# Allegro board meta_module_lay_rev1.brd (continued)
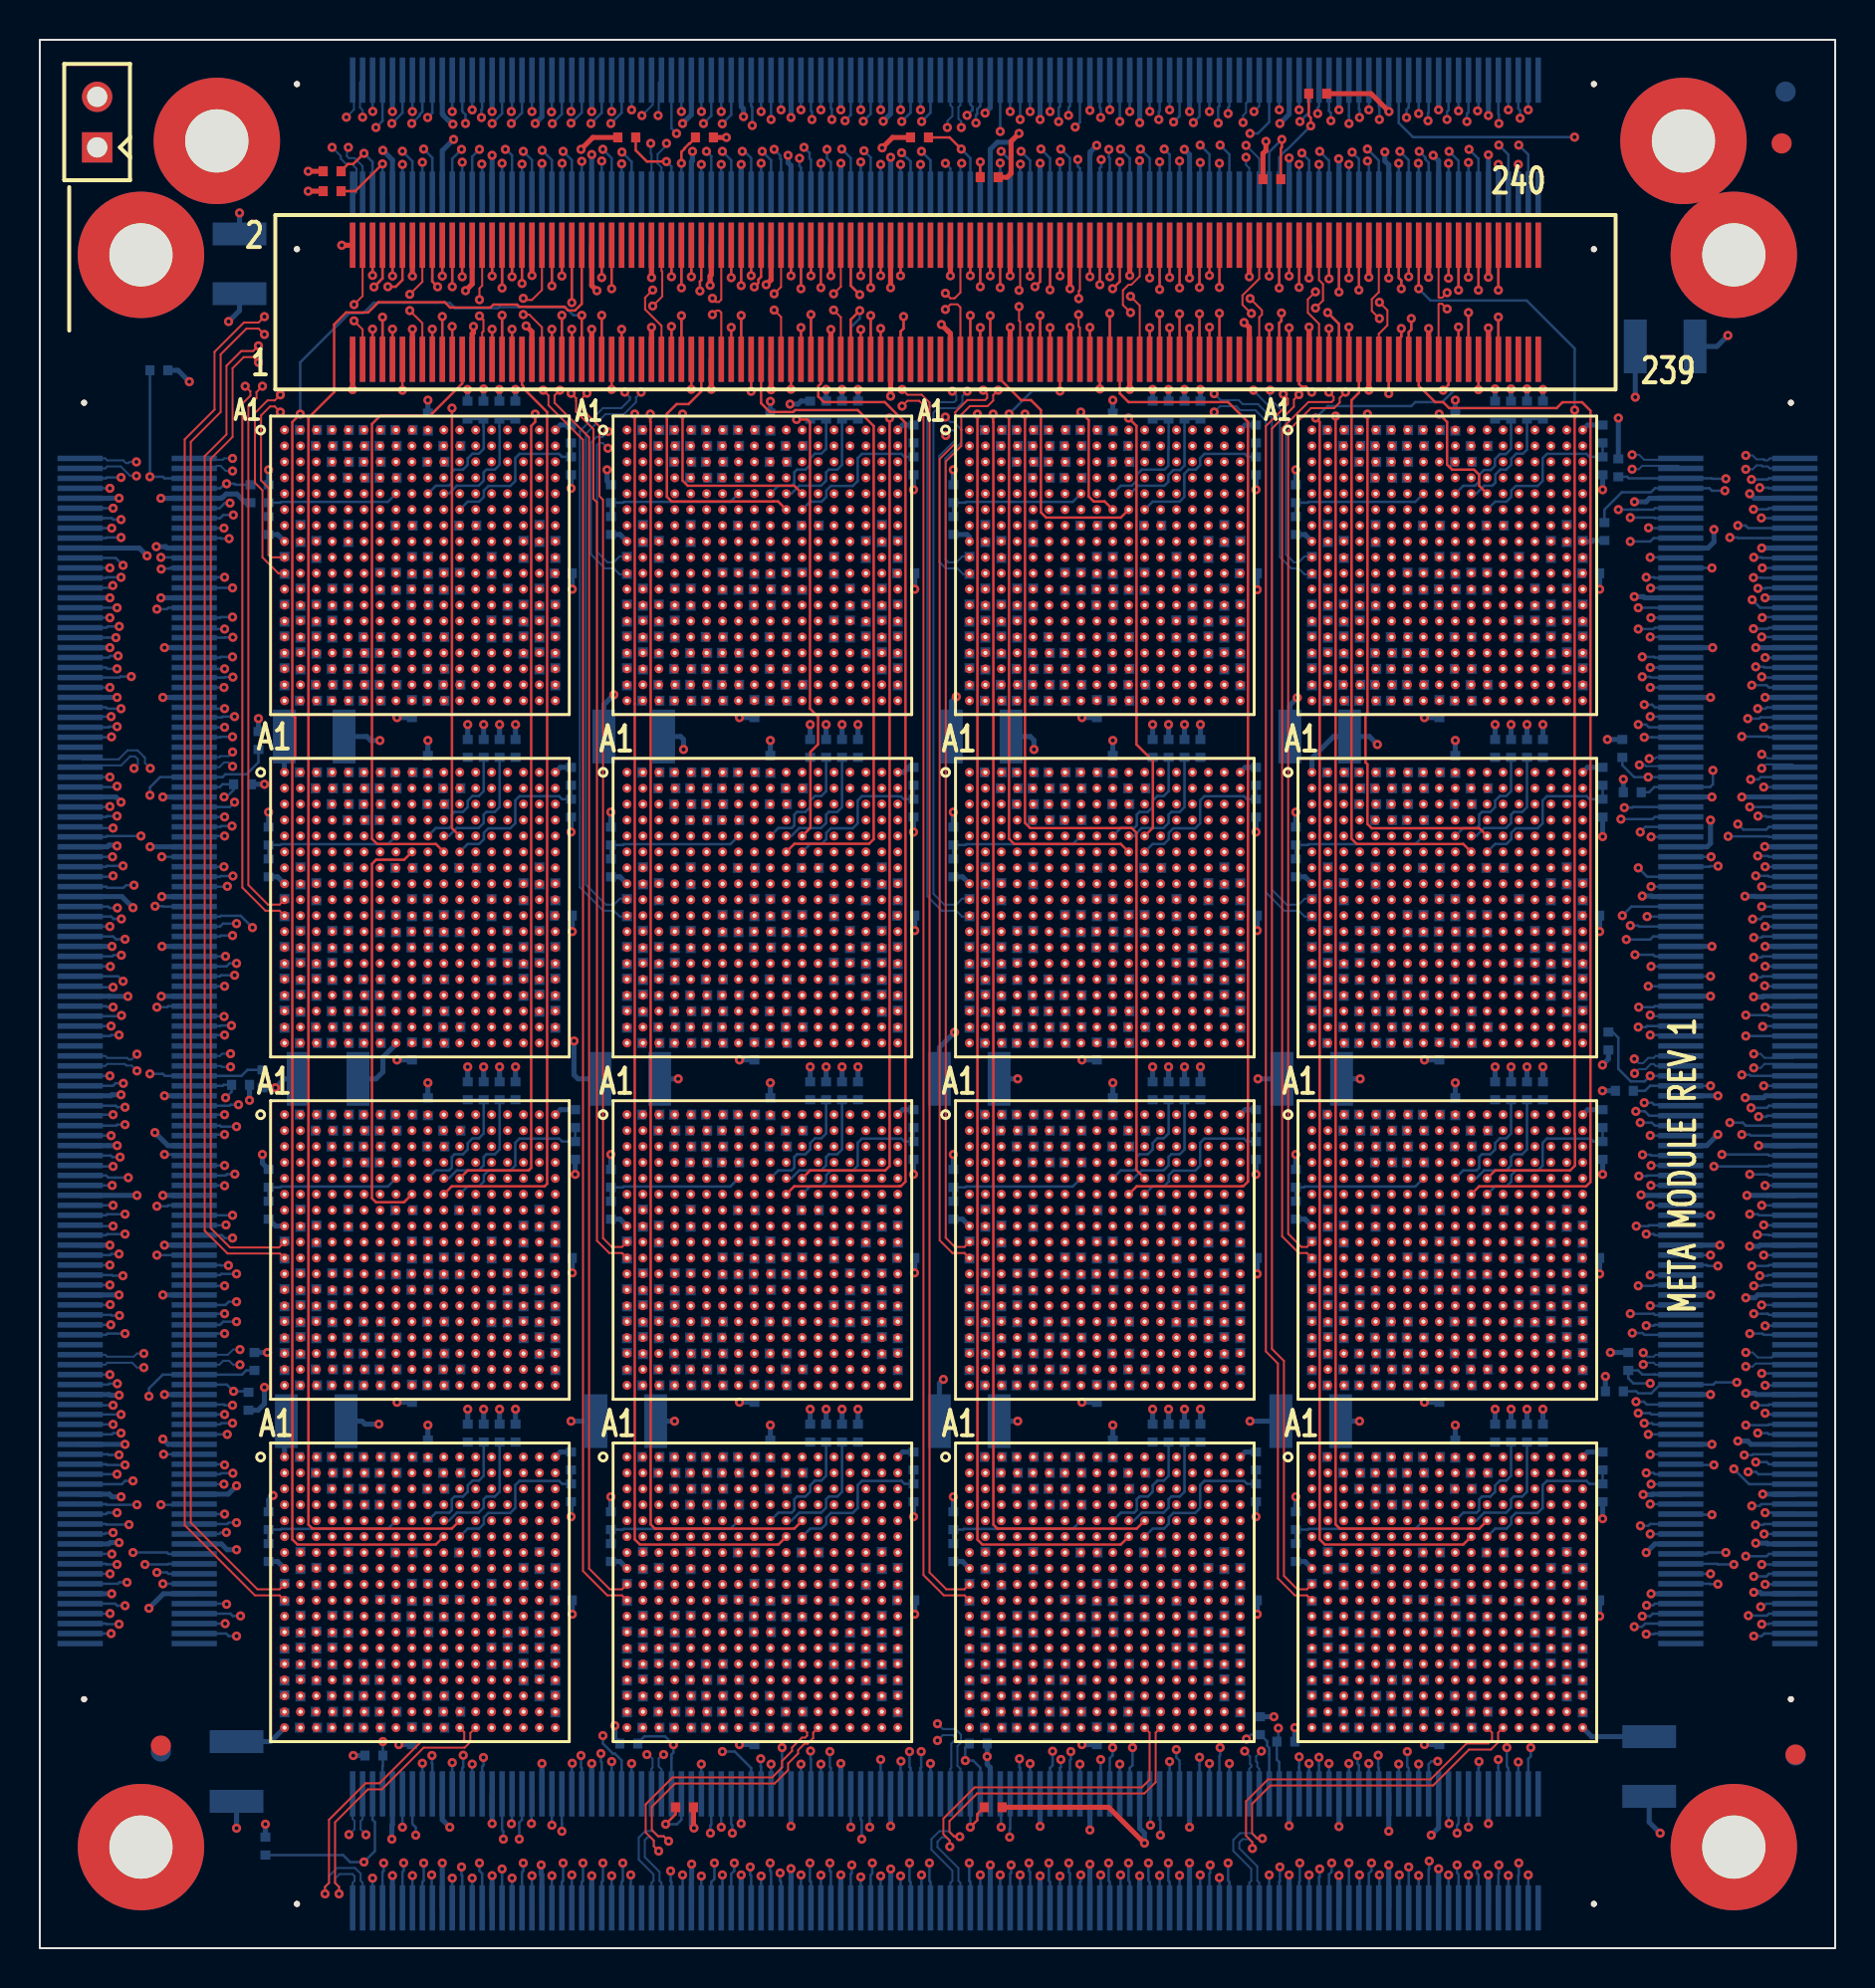
[diagram p0: board, top side]
## Nets (continued)
GND: C1.2 C2.2 C3.2 C4.2 C5.2 C6.2 C7.2 C8.2 C9.2 C10.2 C11.2 C12.2 C13.2 C14.2 C15.2 C16.2 C17.2 C18.2 C19.2 C20.2 C21.2 C22.2 C23.2 C24.2 C25.2 C26.2 C27.2 C28.2 C29.2 C30.2 C31.2 C32.2 C33.2 C34.2 C35.2 C36.2 C37.2 C38.2 C39.2 C40.2 C41.2 C42.2 C43.2 C44.2 C45.2 C46.2 C47.2 C48.2 C49.2 C50.2 C51.2 C52.2 C53.2 C54.2 C55.2 C56.2 C57.2 C58.2 C59.2 C60.2 C61.2 C62.2 C63.2 C64.2 C65.2 C66.2 C67.2 C68.2 C69.2 C70.2 C71.2 C72.2 C73.2 C74.2 C75.2 C76.2 C77.2 C78.2 C79.2 C80.2 C81.2 C82.2 C83.2 C84.2 C85.2 C86.2 C87.2 C88.2 C89.2 C90.2 C91.2 C92.2 C93.2 C94.2 C95.2 C96.2 C97.2 C98.2 C99.2 C100.2 C101.2 C102.2 C103.2 C104.2 C105.2 C106.2 C107.2 C108.2 C109.2 C110.2 C111.2 C112.2 C113.2 C114.2 C115.2 C116.2 C117.2 C118.2 C119.2 C120.2 C121.2 C122.2 C123.2 C124.2 C125.2 C126.2 C127.2 C128.2 C129.2 C130.2 C131.2 C132.2 C133.2 C134.2 C135.2 C136.2 C137.2 C138.2 C139.2 C140.2 C141.2 C142.2 C143.2 C144.2 C145.2 C146.2 C147.2 C148.2 C149.2 C150.2 C151.2 C152.2 C153.2 C154.2 C155.2 C156.2 C157.2 C158.2 C159.2 C160.2 C161.2 C162.2 C163.2 C164.2 C165.2 C166.2 C167.2 C168.2 C169.2 C170.2 C171.2 C172.2 C173.2 C174.2 C175.2 C176.2 C177.2 C178.2 C179.2 C180.2 C181.2 C182.2 C183.2 C184.2 C185.2 C186.2 C187.2 C188.2 C189.2 C190.2 C191.2 C192.2 C193.2 C194.2 C195.2 C196.2 C197.2 C198.2 C199.2 C200.2 C201.2 C202.2 C203.2 C204.2 C205.2 C206.2 C207.2 C208.2 C209.2 C210.2 C211.2 C212.2 C213.2 C214.2 C215.2 C216.2 C217.2 C218.2 C219.2 C220.2 C221.2 C222.2 C223.2 C224.2 C225.2 C226.2 C227.2 C228.2 C229.2 C230.2 C231.2 C232.2 C233.2 C234.2 C235.2 C236.2 C237.2 C238.2 C239.2 C240.2 C241.2 C242.2 C243.2 C244.2 C245.2 C246.2 C247.2 C248.2 C249.2 C250.2 C251.2 C252.2 C253.2 C254.2 C255.2 C256.2 C257.2 C258.2 C259.2 C260.2 C261.2 C262.2 C263.2 C264.2 C265.2 C266.2 C267.2 C268.2 C269.2 C270.2 C271.2 C272.2 J1.11 J1.12 J1.31 J1.32 J1.51 J1.52 J1.71(11) J1.72(12) J1.91(31) J1.92(32) J1.111(51) J1.112(52) J1.131(11) J1.132(12) J1.151(31) J1.152(32) J1.171(51) J1.172(52) J1.191(11) J1.192(12) J1.211(31) J1.212(32) J1.231(51) J1.232(52) J3.11 J3.12 J3.31 J3.32 J3.51 J3.52 J3.71(11) J3.72(12) J3.91(31) J3.92(32) J3.111(51) J3.112(52) J3.131(11) J3.132(12) J3.151(31) J3.152(32) J3.171(51) J3.172(52) J3.191(11) J3.192(12) J3.211(31) J3.212(32) J3.231(51) J3.232(52) J5.9 J5.10 J5.29 J5.30 J5.49 J5.50 J5.69(9) J5.70(10) J5.89(29) J5.90(30) J5.109(49) J5.110(50) J5.129(9) J5.130(10) J5.149(29) J5.150(30) J5.169(49) J5.170(50) J5.189(9) J5.190(10) J5.209(29) J5.210(30) J5.229(49) J5.230(50) J6.9 J6.10 J6.29 J6.30 J6.49 J6.50 J6.69(9) J6.70(10) J6.89(29) J6.90(30) J6.109(49) J6.110(50) J6.129(9) J6.130(10) J6.149(29) J6.150(30) J6.169(49) J6.170(50) J6.189(9) J6.190(10) J6.209(29) J6.210(30) J6.229(49) J6.230(50) J15.1 J16.1 J16.2 J16.13 J16.14 J16.25 J16.26 J16.37 J16.38 J16.49 J16.50 J16.61(1) J16.62(2) J16.73(13) J16.74(14) J16.85(25) J16.86(26) J16.97(37) J16.98(38) J16.109(49) J16.110(50) J16.121(1) J16.122(2) J16.133(13) J16.134(14) J16.145(25) J16.146(26) J16.157(37) J16.158(38) J16.169(49) J16.170(50) J16.181(1) J16.182(2) J16.193(13) J16.194(14) J16.205(25) J16.206(26) J16.217(37) J16.218(38) J16.229(49) J16.230(50) J18.11 J18.12 J18.23 J18.24 J18.35 J18.36 J18.47 J18.48 J18.59 J18.60 J18.71(11) J18.72(12) J18.83(23) J18.84(24) J18.95(35) J18.96(36) J18.107(47) J18.108(48) J18.119(59) J18.120(60) J18.131(11) J18.132(12) J18.143(23) J18.144(24) J18.155(35) J18.156(36) J18.167(47) J18.168(48) J18.179(59) J18.180(60) J18.191(11) J18.192(12) J18.203(23) J18.204(24) J18.215(35) J18.216(36) J18.227(47) J18.228(48) J18.239(59) J18.240(60) R54.1 R55.1 R56.1 R57.1 R111.1 R112.1 R113.1 R114.1 R168.1 R169.1 R170.1 R171.1 R225.1 R226.1 R227.1 R228.1 R282.1 R283.1 R284.1 R285.1 R339.1 R340.1 R341.1 R342.1 R396.1 R397.1 R398.1 R399.1 R453.1 R454.1 R455.1 R456.1 R510.1 R511.1 R512.1 R513.1 R567.1 R568.1 R569.1 R570.1 R624.1 R625.1 R626.1 R627.1 R681.1 R682.1 R683.1 R684.1 R738.1 R739.1 R740.1 R741.1 R795.1 R796.1 R797.1 R798.1 R852.1 R853.1 R854.1 R855.1 R909.1 R910.1 R911.1 R912.1 R913.1 R915.1 R917.1 R919.1 R921.1 R923.1 R925.1 R927.1 R929.1 R931.1 R933.1 R935.1 R937.1 R939.1 R941.1 R943.1 R945.1 R948.2 R949.1 R952.2 R953.1 R956.2 R957.1 R960.2 R961.1 R964.2 R965.1 R968.2 R969.1 R972.2 R973.1 R976.2 R977.1 R980.2 R981.1 R984.2 R985.1 R988.2 R989.1 R992.2 R993.1 R996.2 R997.1 R1000.2 R1001.1 R1004.2 R1005.1 R1008.2 R1013.1 R1014.1 R1015.1 R1016.1 R1021.1 R1022.1 R1023.1 R1024.1 R1029.1 R1030.1 R1031.1 R1032.1 R1037.1 R1038.1 R1039.1 R1040.1 U1.A1(VSS#A1) U1.A8(VSS#A8) U1.A11(VSS#A11) U1.A18(VSS#A18) U1.B2(VSS#B2) U1.B17(VSS#B17) U1.C3(VSS#C3) U1.C16(VSS#C16) U1.D4(VSS#D4) U1.D15(VSS#D15) U1.E5(VSS#E5) U1.E6(VSS#E6) U1.E13(VSS#E13) U1.E14(VSS#E14) U1.F5(VSS#F5) U1.F6(VSS#F6) U1.F13(VSS#F13) U1.F14(VSS#F14) U1.G6(VSS#G6) U1.G8(VSS#G8) U1.G10(VSS#G10) U1.G12(VSS#G12) U1.G14(VSS#G14) U1.H1(VSS#H1) U1.H5(VSS#H5) U1.H7(VSS#H7) U1.H9(VSS#H9) U1.H11(VSS#H11) U1.H13(VSS#H13) U1.H18(VSS#H18) U1.J6(VSS#J6) U1.J8(VSS#J8) U1.J10(VSS#J10) U1.J12(VSS#J12) U1.J14(VSS#J14) U1.K5(VSS#K5) U1.K7(VSS#K7) U1.K9(VSS#K9) U1.K11(VSS#K11) U1.K13(VSS#K13) U1.L1(VSS#L1) U1.L6(VSS#L6) U1.L8(VSS#L8) U1.L10(VSS#L10) U1.L12(VSS#L12) U1.L14(VSS#L14) U1.L18(VSS#L18) U1.M5(VSS#M5) U1.M7(VSS#M7) U1.M9(VSS#M9) U1.M11(VSS#M11) U1.M13(VSS#M13) U1.N6(VSS#N6) U1.N8(VSS#N8) U1.N10(VSS#N10) U1.N12(VSS#N12) U1.N14(VSS#N14) U1.P5(VSS#P5) U1.P7(VSS#P7) U1.P9(VSS#P9) U1.P11(VSS#P11) U1.P13(VSS#P13) U1.R4(VSS#R4) U1.R15(VSS#R15) U1.T3(VSS#T3) U1.T16(VSS#T16) U1.U2(VSS#U2) U1.U17(VSS#U17) U1.V1(VSS#V1) U1.V8(VSS#V8) U1.V11(VSS#V11) U1.V18(VSS#V18) U2.A1(VSS#A1) U2.A8(VSS#A8) U2.A11(VSS#A11) U2.A18(VSS#A18) U2.B2(VSS#B2) U2.B17(VSS#B17) U2.C3(VSS#C3) U2.C16(VSS#C16) U2.D4(VSS#D4) U2.D15(VSS#D15) U2.E5(VSS#E5) U2.E6(VSS#E6) U2.E13(VSS#E13) U2.E14(VSS#E14) U2.F5(VSS#F5) U2.F6(VSS#F6) U2.F13(VSS#F13) U2.F14(VSS#F14) U2.G6(VSS#G6) U2.G8(VSS#G8) U2.G10(VSS#G10) U2.G12(VSS#G12) U2.G14(VSS#G14) U2.H1(VSS#H1) U2.H5(VSS#H5) U2.H7(VSS#H7) U2.H9(VSS#H9) U2.H11(VSS#H11) U2.H13(VSS#H13) U2.H18(VSS#H18) U2.J6(VSS#J6) U2.J8(VSS#J8) U2.J10(VSS#J10) U2.J12(VSS#J12) U2.J14(VSS#J14) U2.K5(VSS#K5) U2.K7(VSS#K7) U2.K9(VSS#K9) U2.K11(VSS#K11) U2.K13(VSS#K13) U2.L1(VSS#L1) U2.L6(VSS#L6) U2.L8(VSS#L8) U2.L10(VSS#L10) U2.L12(VSS#L12) U2.L14(VSS#L14) U2.L18(VSS#L18) U2.M5(VSS#M5) U2.M7(VSS#M7) U2.M9(VSS#M9) U2.M11(VSS#M11) U2.M13(VSS#M13) U2.N6(VSS#N6) U2.N8(VSS#N8) U2.N10(VSS#N10) U2.N12(VSS#N12) U2.N14(VSS#N14) U2.P5(VSS#P5) U2.P7(VSS#P7) U2.P9(VSS#P9) U2.P11(VSS#P11) U2.P13(VSS#P13) U2.R4(VSS#R4) U2.R15(VSS#R15) U2.T3(VSS#T3) U2.T16(VSS#T16) U2.U2(VSS#U2) U2.U17(VSS#U17) U2.V1(VSS#V1) U2.V8(VSS#V8) U2.V11(VSS#V11) U2.V18(VSS#V18) U3.A1(VSS#A1) U3.A8(VSS#A8) U3.A11(VSS#A11) U3.A18(VSS#A18) U3.B2(VSS#B2) U3.B17(VSS#B17) U3.C3(VSS#C3) U3.C16(VSS#C16) U3.D4(VSS#D4) U3.D15(VSS#D15) U3.E5(VSS#E5) U3.E6(VSS#E6) U3.E13(VSS#E13) U3.E14(VSS#E14) U3.F5(VSS#F5) U3.F6(VSS#F6) U3.F13(VSS#F13) U3.F14(VSS#F14) U3.G6(VSS#G6) U3.G8(VSS#G8) U3.G10(VSS#G10) U3.G12(VSS#G12) U3.G14(VSS#G14) U3.H1(VSS#H1) U3.H5(VSS#H5) U3.H7(VSS#H7) U3.H9(VSS#H9) U3.H11(VSS#H11) U3.H13(VSS#H13) U3.H18(VSS#H18) U3.J6(VSS#J6) U3.J8(VSS#J8) U3.J10(VSS#J10) U3.J12(VSS#J12) U3.J14(VSS#J14) U3.K5(VSS#K5) U3.K7(VSS#K7) U3.K9(VSS#K9) U3.K11(VSS#K11) U3.K13(VSS#K13) U3.L1(VSS#L1) U3.L6(VSS#L6) U3.L8(VSS#L8) U3.L10(VSS#L10) U3.L12(VSS#L12) U3.L14(VSS#L14) U3.L18(VSS#L18) U3.M5(VSS#M5) U3.M7(VSS#M7) U3.M9(VSS#M9) U3.M11(VSS#M11) U3.M13(VSS#M13) U3.N6(VSS#N6) U3.N8(VSS#N8) U3.N10(VSS#N10) U3.N12(VSS#N12) U3.N14(VSS#N14) U3.P5(VSS#P5) U3.P7(VSS#P7) U3.P9(VSS#P9) U3.P11(VSS#P11) U3.P13(VSS#P13) U3.R4(VSS#R4) U3.R15(VSS#R15) U3.T3(VSS#T3) U3.T16(VSS#T16) U3.U2(VSS#U2) U3.U17(VSS#U17) U3.V1(VSS#V1) U3.V8(VSS#V8) U3.V11(VSS#V11) U3.V18(VSS#V18) U4.A1(VSS#A1) U4.A8(VSS#A8) U4.A11(VSS#A11) U4.A18(VSS#A18) U4.B2(VSS#B2) U4.B17(VSS#B17) U4.C3(VSS#C3) U4.C16(VSS#C16) U4.D4(VSS#D4) U4.D15(VSS#D15) U4.E5(VSS#E5) U4.E6(VSS#E6) U4.E13(VSS#E13) U4.E14(VSS#E14) U4.F5(VSS#F5) U4.F6(VSS#F6) U4.F13(VSS#F13) U4.F14(VSS#F14) U4.G6(VSS#G6) U4.G8(VSS#G8) U4.G10(VSS#G10) U4.G12(VSS#G12) U4.G14(VSS#G14) U4.H1(VSS#H1) U4.H5(VSS#H5) U4.H7(VSS#H7) U4.H9(VSS#H9) U4.H11(VSS#H11) U4.H13(VSS#H13) U4.H18(VSS#H18) U4.J6(VSS#J6) U4.J8(VSS#J8) U4.J10(VSS#J10) U4.J12(VSS#J12) U4.J14(VSS#J14) U4.K5(VSS#K5) U4.K7(VSS#K7) U4.K9(VSS#K9) U4.K11(VSS#K11) U4.K13(VSS#K13) U4.L1(VSS#L1) U4.L6(VSS#L6) U4.L8(VSS#L8) U4.L10(VSS#L10) U4.L12(VSS#L12) U4.L14(VSS#L14) U4.L18(VSS#L18) U4.M5(VSS#M5) U4.M7(VSS#M7) U4.M9(VSS#M9) U4.M11(VSS#M11) U4.M13(VSS#M13) U4.N6(VSS#N6) U4.N8(VSS#N8) U4.N10(VSS#N10) U4.N12(VSS#N12) U4.N14(VSS#N14) U4.P5(VSS#P5) U4.P7(VSS#P7) U4.P9(VSS#P9) U4.P11(VSS#P11) U4.P13(VSS#P13) U4.R4(VSS#R4) U4.R15(VSS#R15) U4.T3(VSS#T3) U4.T16(VSS#T16) U4.U2(VSS#U2) U4.U17(VSS#U17) U4.V1(VSS#V1) U4.V8(VSS#V8) U4.V11(VSS#V11) U4.V18(VSS#V18) U5.A1(VSS#A1) U5.A8(VSS#A8) U5.A11(VSS#A11) U5.A18(VSS#A18) U5.B2(VSS#B2) U5.B17(VSS#B17) U5.C3(VSS#C3) U5.C16(VSS#C16) U5.D4(VSS#D4) U5.D15(VSS#D15) U5.E5(VSS#E5) U5.E6(VSS#E6) U5.E13(VSS#E13) U5.E14(VSS#E14) U5.F5(VSS#F5) U5.F6(VSS#F6) U5.F13(VSS#F13) U5.F14(VSS#F14) U5.G6(VSS#G6) U5.G8(VSS#G8) U5.G10(VSS#G10) U5.G12(VSS#G12) U5.G14(VSS#G14) U5.H1(VSS#H1) U5.H5(VSS#H5) U5.H7(VSS#H7) U5.H9(VSS#H9) U5.H11(VSS#H11) U5.H13(VSS#H13) U5.H18(VSS#H18) U5.J6(VSS#J6) U5.J8(VSS#J8) U5.J10(VSS#J10) U5.J12(VSS#J12) U5.J14(VSS#J14) U5.K5(VSS#K5) U5.K7(VSS#K7) U5.K9(VSS#K9) U5.K11(VSS#K11) U5.K13(VSS#K13) U5.L1(VSS#L1) U5.L6(VSS#L6) U5.L8(VSS#L8) U5.L10(VSS#L10) U5.L12(VSS#L12) U5.L14(VSS#L14) U5.L18(VSS#L18) U5.M5(VSS#M5) U5.M7(VSS#M7) U5.M9(VSS#M9) U5.M11(VSS#M11) U5.M13(VSS#M13) U5.N6(VSS#N6) U5.N8(VSS#N8) U5.N10(VSS#N10) U5.N12(VSS#N12) U5.N14(VSS#N14) U5.P5(VSS#P5) U5.P7(VSS#P7) U5.P9(VSS#P9) U5.P11(VSS#P11) U5.P13(VSS#P13) U5.R4(VSS#R4) U5.R15(VSS#R15) U5.T3(VSS#T3) U5.T16(VSS#T16) U5.U2(VSS#U2) U5.U17(VSS#U17) U5.V1(VSS#V1) U5.V8(VSS#V8) U5.V11(VSS#V11) U5.V18(VSS#V18) U6.A1(VSS#A1) U6.A8(VSS#A8) U6.A11(VSS#A11) U6.A18(VSS#A18) U6.B2(VSS#B2) U6.B17(VSS#B17) U6.C3(VSS#C3) U6.C16(VSS#C16) U6.D4(VSS#D4) U6.D15(VSS#D15) U6.E5(VSS#E5) U6.E6(VSS#E6) U6.E13(VSS#E13) U6.E14(VSS#E14) U6.F5(VSS#F5) U6.F6(VSS#F6) U6.F13(VSS#F13) U6.F14(VSS#F14) U6.G6(VSS#G6) U6.G8(VSS#G8) U6.G10(VSS#G10) U6.G12(VSS#G12) U6.G14(VSS#G14) U6.H1(VSS#H1) U6.H5(VSS#H5) U6.H7(VSS#H7) U6.H9(VSS#H9) U6.H11(VSS#H11) U6.H13(VSS#H13) U6.H18(VSS#H18) U6.J6(VSS#J6) U6.J8(VSS#J8) U6.J10(VSS#J10) U6.J12(VSS#J12) U6.J14(VSS#J14) U6.K5(VSS#K5) U6.K7(VSS#K7) U6.K9(VSS#K9) U6.K11(VSS#K11) U6.K13(VSS#K13) U6.L1(VSS#L1) U6.L6(VSS#L6) U6.L8(VSS#L8) U6.L10(VSS#L10) U6.L12(VSS#L12) U6.L14(VSS#L14) U6.L18(VSS#L18) U6.M5(VSS#M5) U6.M7(VSS#M7) U6.M9(VSS#M9) U6.M11(VSS#M11) U6.M13(VSS#M13) U6.N6(VSS#N6) U6.N8(VSS#N8) U6.N10(VSS#N10) U6.N12(VSS#N12) U6.N14(VSS#N14) U6.P5(VSS#P5) U6.P7(VSS#P7) U6.P9(VSS#P9) U6.P11(VSS#P11) U6.P13(VSS#P13) U6.R4(VSS#R4) U6.R15(VSS#R15) U6.T3(VSS#T3) U6.T16(VSS#T16) U6.U2(VSS#U2) U6.U17(VSS#U17) U6.V1(VSS#V1) U6.V8(VSS#V8) U6.V11(VSS#V11) U6.V18(VSS#V18) U7.A1(VSS#A1) U7.A8(VSS#A8) U7.A11(VSS#A11) U7.A18(VSS#A18) U7.B2(VSS#B2) U7.B17(VSS#B17) U7.C3(VSS#C3) U7.C16(VSS#C16) U7.D4(VSS#D4) U7.D15(VSS#D15) U7.E5(VSS#E5) U7.E6(VSS#E6) U7.E13(VSS#E13) U7.E14(VSS#E14) U7.F5(VSS#F5) U7.F6(VSS#F6) U7.F13(VSS#F13) U7.F14(VSS#F14) U7.G6(VSS#G6) U7.G8(VSS#G8) U7.G10(VSS#G10) U7.G12(VSS#G12) U7.G14(VSS#G14) U7.H1(VSS#H1) U7.H5(VSS#H5) U7.H7(VSS#H7) U7.H9(VSS#H9) U7.H11(VSS#H11) U7.H13(VSS#H13) U7.H18(VSS#H18) U7.J6(VSS#J6) U7.J8(VSS#J8) U7.J10(VSS#J10) U7.J12(VSS#J12) U7.J14(VSS#J14) U7.K5(VSS#K5) U7.K7(VSS#K7) U7.K9(VSS#K9) U7.K11(VSS#K11) U7.K13(VSS#K13) U7.L1(VSS#L1) U7.L6(VSS#L6) U7.L8(VSS#L8) U7.L10(VSS#L10) U7.L12(VSS#L12) U7.L14(VSS#L14) U7.L18(VSS#L18) U7.M5(VSS#M5) U7.M7(VSS#M7) U7.M9(VSS#M9) U7.M11(VSS#M11) U7.M13(VSS#M13) U7.N6(VSS#N6) U7.N8(VSS#N8) U7.N10(VSS#N10) U7.N12(VSS#N12) U7.N14(VSS#N14) U7.P5(VSS#P5) U7.P7(VSS#P7) U7.P9(VSS#P9) U7.P11(VSS#P11) U7.P13(VSS#P13) U7.R4(VSS#R4) U7.R15(VSS#R15) U7.T3(VSS#T3) U7.T16(VSS#T16) U7.U2(VSS#U2) U7.U17(VSS#U17) U7.V1(VSS#V1) U7.V8(VSS#V8) U7.V11(VSS#V11) U7.V18(VSS#V18) U8.A1(VSS#A1) U8.A8(VSS#A8) U8.A11(VSS#A11) U8.A18(VSS#A18) U8.B2(VSS#B2) U8.B17(VSS#B17) U8.C3(VSS#C3) U8.C16(VSS#C16) U8.D4(VSS#D4) U8.D15(VSS#D15) U8.E5(VSS#E5) U8.E6(VSS#E6) U8.E13(VSS#E13) U8.E14(VSS#E14) U8.F5(VSS#F5) U8.F6(VSS#F6) U8.F13(VSS#F13) U8.F14(VSS#F14) U8.G6(VSS#G6) U8.G8(VSS#G8) U8.G10(VSS#G10) U8.G12(VSS#G12) U8.G14(VSS#G14) U8.H1(VSS#H1) U8.H5(VSS#H5) U8.H7(VSS#H7) U8.H9(VSS#H9) U8.H11(VSS#H11) U8.H13(VSS#H13) U8.H18(VSS#H18) U8.J6(VSS#J6) U8.J8(VSS#J8) U8.J10(VSS#J10) U8.J12(VSS#J12) U8.J14(VSS#J14) U8.K5(VSS#K5) U8.K7(VSS#K7) U8.K9(VSS#K9) U8.K11(VSS#K11) U8.K13(VSS#K13) U8.L1(VSS#L1) U8.L6(VSS#L6) U8.L8(VSS#L8) U8.L10(VSS#L10) U8.L12(VSS#L12) U8.L14(VSS#L14) U8.L18(VSS#L18) U8.M5(VSS#M5) U8.M7(VSS#M7) U8.M9(VSS#M9) U8.M11(VSS#M11) U8.M13(VSS#M13) U8.N6(VSS#N6) U8.N8(VSS#N8) U8.N10(VSS#N10) U8.N12(VSS#N12) U8.N14(VSS#N14) U8.P5(VSS#P5) U8.P7(VSS#P7) U8.P9(VSS#P9) U8.P11(VSS#P11) U8.P13(VSS#P13) U8.R4(VSS#R4) U8.R15(VSS#R15) U8.T3(VSS#T3) U8.T16(VSS#T16) U8.U2(VSS#U2) U8.U17(VSS#U17) U8.V1(VSS#V1) U8.V8(VSS#V8) U8.V11(VSS#V11) U8.V18(VSS#V18) U9.A1(VSS#A1) U9.A8(VSS#A8) U9.A11(VSS#A11) U9.A18(VSS#A18) U9.B2(VSS#B2) U9.B17(VSS#B17) U9.C3(VSS#C3) U9.C16(VSS#C16) U9.D4(VSS#D4) U9.D15(VSS#D15) U9.E5(VSS#E5) U9.E6(VSS#E6) U9.E13(VSS#E13) U9.E14(VSS#E14) U9.F5(VSS#F5) U9.F6(VSS#F6) U9.F13(VSS#F13) U9.F14(VSS#F14) U9.G6(VSS#G6) U9.G8(VSS#G8) U9.G10(VSS#G10) U9.G12(VSS#G12) U9.G14(VSS#G14) U9.H1(VSS#H1) U9.H5(VSS#H5) U9.H7(VSS#H7) U9.H9(VSS#H9) U9.H11(VSS#H11) U9.H13(VSS#H13) U9.H18(VSS#H18) U9.J6(VSS#J6) U9.J8(VSS#J8) U9.J10(VSS#J10) U9.J12(VSS#J12) U9.J14(VSS#J14) U9.K5(VSS#K5) U9.K7(VSS#K7) U9.K9(VSS#K9) U9.K11(VSS#K11) U9.K13(VSS#K13) U9.L1(VSS#L1) U9.L6(VSS#L6) U9.L8(VSS#L8) U9.L10(VSS#L10) U9.L12(VSS#L12) U9.L14(VSS#L14) U9.L18(VSS#L18) U9.M5(VSS#M5) U9.M7(VSS#M7) U9.M9(VSS#M9) U9.M11(VSS#M11) U9.M13(VSS#M13) U9.N6(VSS#N6) U9.N8(VSS#N8) U9.N10(VSS#N10) U9.N12(VSS#N12) U9.N14(VSS#N14) U9.P5(VSS#P5) U9.P7(VSS#P7) U9.P9(VSS#P9) U9.P11(VSS#P11) U9.P13(VSS#P13) U9.R4(VSS#R4) U9.R15(VSS#R15) U9.T3(VSS#T3) U9.T16(VSS#T16) U9.U2(VSS#U2) U9.U17(VSS#U17) U9.V1(VSS#V1) U9.V8(VSS#V8) U9.V11(VSS#V11) U9.V18(VSS#V18) U10.A1(VSS#A1) U10.A8(VSS#A8) U10.A11(VSS#A11) U10.A18(VSS#A18) U10.B2(VSS#B2) U10.B17(VSS#B17) U10.C3(VSS#C3) U10.C16(VSS#C16) U10.D4(VSS#D4) U10.D15(VSS#D15) U10.E5(VSS#E5) U10.E6(VSS#E6) U10.E13(VSS#E13) U10.E14(VSS#E14) U10.F5(VSS#F5) U10.F6(VSS#F6) U10.F13(VSS#F13) U10.F14(VSS#F14) U10.G6(VSS#G6) U10.G8(VSS#G8) U10.G10(VSS#G10) U10.G12(VSS#G12) U10.G14(VSS#G14) U10.H1(VSS#H1) U10.H5(VSS#H5) U10.H7(VSS#H7) U10.H9(VSS#H9) U10.H11(VSS#H11) U10.H13(VSS#H13) U10.H18(VSS#H18) U10.J6(VSS#J6) U10.J8(VSS#J8) U10.J10(VSS#J10) U10.J12(VSS#J12) U10.J14(VSS#J14) U10.K5(VSS#K5) U10.K7(VSS#K7) U10.K9(VSS#K9) U10.K11(VSS#K11) U10.K13(VSS#K13) U10.L1(VSS#L1) U10.L6(VSS#L6) U10.L8(VSS#L8) U10.L10(VSS#L10) U10.L12(VSS#L12) U10.L14(VSS#L14) U10.L18(VSS#L18) U10.M5(VSS#M5) U10.M7(VSS#M7) U10.M9(VSS#M9) U10.M11(VSS#M11) U10.M13(VSS#M13) U10.N6(VSS#N6) U10.N8(VSS#N8) U10.N10(VSS#N10) U10.N12(VSS#N12) U10.N14(VSS#N14) U10.P5(VSS#P5) U10.P7(VSS#P7) U10.P9(VSS#P9) U10.P11(VSS#P11) U10.P13(VSS#P13) U10.R4(VSS#R4) U10.R15(VSS#R15) U10.T3(VSS#T3) U10.T16(VSS#T16) U10.U2(VSS#U2) U10.U17(VSS#U17) U10.V1(VSS#V1) U10.V8(VSS#V8) U10.V11(VSS#V11) U10.V18(VSS#V18) U11.A1(VSS#A1) U11.A8(VSS#A8) U11.A11(VSS#A11) U11.A18(VSS#A18) U11.B2(VSS#B2) U11.B17(VSS#B17) U11.C3(VSS#C3) U11.C16(VSS#C16) U11.D4(VSS#D4) U11.D15(VSS#D15) U11.E5(VSS#E5) U11.E6(VSS#E6) U11.E13(VSS#E13) U11.E14(VSS#E14) U11.F5(VSS#F5) U11.F6(VSS#F6) U11.F13(VSS#F13) U11.F14(VSS#F14) U11.G6(VSS#G6) U11.G8(VSS#G8) U11.G10(VSS#G10) U11.G12(VSS#G12) U11.G14(VSS#G14) U11.H1(VSS#H1) U11.H5(VSS#H5) U11.H7(VSS#H7) U11.H9(VSS#H9) U11.H11(VSS#H11) U11.H13(VSS#H13) U11.H18(VSS#H18) U11.J6(VSS#J6) U11.J8(VSS#J8) U11.J10(VSS#J10) U11.J12(VSS#J12) U11.J14(VSS#J14) U11.K5(VSS#K5) U11.K7(VSS#K7) U11.K9(VSS#K9) U11.K11(VSS#K11) U11.K13(VSS#K13) U11.L1(VSS#L1) U11.L6(VSS#L6) U11.L8(VSS#L8) U11.L10(VSS#L10) U11.L12(VSS#L12) U11.L14(VSS#L14) U11.L18(VSS#L18) U11.M5(VSS#M5) U11.M7(VSS#M7) U11.M9(VSS#M9) U11.M11(VSS#M11) U11.M13(VSS#M13) U11.N6(VSS#N6) U11.N8(VSS#N8) U11.N10(VSS#N10) U11.N12(VSS#N12) U11.N14(VSS#N14) U11.P5(VSS#P5) U11.P7(VSS#P7) U11.P9(VSS#P9) U11.P11(VSS#P11) U11.P13(VSS#P13) U11.R4(VSS#R4) U11.R15(VSS#R15) U11.T3(VSS#T3) U11.T16(VSS#T16) U11.U2(VSS#U2) U11.U17(VSS#U17) U11.V1(VSS#V1) U11.V8(VSS#V8) U11.V11(VSS#V11) U11.V18(VSS#V18) U12.A1(VSS#A1) U12.A8(VSS#A8) U12.A11(VSS#A11) U12.A18(VSS#A18) U12.B2(VSS#B2) U12.B17(VSS#B17) U12.C3(VSS#C3) U12.C16(VSS#C16) U12.D4(VSS#D4) U12.D15(VSS#D15) U12.E5(VSS#E5) U12.E6(VSS#E6) U12.E13(VSS#E13) U12.E14(VSS#E14) U12.F5(VSS#F5) U12.F6(VSS#F6) U12.F13(VSS#F13) U12.F14(VSS#F14) U12.G6(VSS#G6) U12.G8(VSS#G8) U12.G10(VSS#G10) U12.G12(VSS#G12) U12.G14(VSS#G14) U12.H1(VSS#H1) U12.H5(VSS#H5) U12.H7(VSS#H7) U12.H9(VSS#H9) U12.H11(VSS#H11) U12.H13(VSS#H13) U12.H18(VSS#H18) U12.J6(VSS#J6) U12.J8(VSS#J8) U12.J10(VSS#J10) U12.J12(VSS#J12) U12.J14(VSS#J14) U12.K5(VSS#K5) U12.K7(VSS#K7) U12.K9(VSS#K9) U12.K11(VSS#K11) U12.K13(VSS#K13) U12.L1(VSS#L1) U12.L6(VSS#L6) U12.L8(VSS#L8) U12.L10(VSS#L10) U12.L12(VSS#L12) U12.L14(VSS#L14) U12.L18(VSS#L18) U12.M5(VSS#M5) U12.M7(VSS#M7) U12.M9(VSS#M9) U12.M11(VSS#M11) U12.M13(VSS#M13) U12.N6(VSS#N6) U12.N8(VSS#N8) U12.N10(VSS#N10) U12.N12(VSS#N12) U12.N14(VSS#N14) U12.P5(VSS#P5) U12.P7(VSS#P7) U12.P9(VSS#P9) U12.P11(VSS#P11) U12.P13(VSS#P13) U12.R4(VSS#R4) U12.R15(VSS#R15) U12.T3(VSS#T3) U12.T16(VSS#T16) U12.U2(VSS#U2) U12.U17(VSS#U17) U12.V1(VSS#V1) U12.V8(VSS#V8) U12.V11(VSS#V11) U12.V18(VSS#V18) U13.A1(VSS#A1) U13.A8(VSS#A8) U13.A11(VSS#A11) U13.A18(VSS#A18) U13.B2(VSS#B2) U13.B17(VSS#B17) U13.C3(VSS#C3) U13.C16(VSS#C16) U13.D4(VSS#D4) U13.D15(VSS#D15) U13.E5(VSS#E5) U13.E6(VSS#E6) U13.E13(VSS#E13) U13.E14(VSS#E14) U13.F5(VSS#F5) U13.F6(VSS#F6) U13.F13(VSS#F13) U13.F14(VSS#F14) U13.G6(VSS#G6) U13.G8(VSS#G8) U13.G10(VSS#G10) U13.G12(VSS#G12) U13.G14(VSS#G14) U13.H1(VSS#H1) U13.H5(VSS#H5) U13.H7(VSS#H7) U13.H9(VSS#H9) U13.H11(VSS#H11) U13.H13(VSS#H13) U13.H18(VSS#H18) U13.J6(VSS#J6) U13.J8(VSS#J8) U13.J10(VSS#J10) U13.J12(VSS#J12) U13.J14(VSS#J14) U13.K5(VSS#K5) U13.K7(VSS#K7) U13.K9(VSS#K9) U13.K11(VSS#K11) U13.K13(VSS#K13) U13.L1(VSS#L1) U13.L6(VSS#L6) U13.L8(VSS#L8) U13.L10(VSS#L10) U13.L12(VSS#L12) U13.L14(VSS#L14) U13.L18(VSS#L18) U13.M5(VSS#M5) U13.M7(VSS#M7) U13.M9(VSS#M9) U13.M11(VSS#M11) U13.M13(VSS#M13) U13.N6(VSS#N6) U13.N8(VSS#N8) U13.N10(VSS#N10) U13.N12(VSS#N12) U13.N14(VSS#N14) U13.P5(VSS#P5) U13.P7(VSS#P7) U13.P9(VSS#P9) U13.P11(VSS#P11) U13.P13(VSS#P13) U13.R4(VSS#R4) U13.R15(VSS#R15) U13.T3(VSS#T3) U13.T16(VSS#T16) U13.U2(VSS#U2) U13.U17(VSS#U17) U13.V1(VSS#V1) U13.V8(VSS#V8) U13.V11(VSS#V11) U13.V18(VSS#V18) U14.A1(VSS#A1) U14.A8(VSS#A8) U14.A11(VSS#A11) U14.A18(VSS#A18) U14.B2(VSS#B2) U14.B17(VSS#B17) U14.C3(VSS#C3) U14.C16(VSS#C16) U14.D4(VSS#D4) U14.D15(VSS#D15) U14.E5(VSS#E5) U14.E6(VSS#E6) U14.E13(VSS#E13) U14.E14(VSS#E14) U14.F5(VSS#F5) U14.F6(VSS#F6) U14.F13(VSS#F13) U14.F14(VSS#F14) U14.G6(VSS#G6) U14.G8(VSS#G8) U14.G10(VSS#G10) U14.G12(VSS#G12) U14.G14(VSS#G14) U14.H1(VSS#H1) U14.H5(VSS#H5) U14.H7(VSS#H7) U14.H9(VSS#H9) U14.H11(VSS#H11) U14.H13(VSS#H13) U14.H18(VSS#H18) U14.J6(VSS#J6) U14.J8(VSS#J8) U14.J10(VSS#J10) U14.J12(VSS#J12) U14.J14(VSS#J14) U14.K5(VSS#K5) U14.K7(VSS#K7) U14.K9(VSS#K9) U14.K11(VSS#K11) U14.K13(VSS#K13) U14.L1(VSS#L1) U14.L6(VSS#L6) U14.L8(VSS#L8) U14.L10(VSS#L10) U14.L12(VSS#L12) U14.L14(VSS#L14) U14.L18(VSS#L18) U14.M5(VSS#M5) U14.M7(VSS#M7) U14.M9(VSS#M9) U14.M11(VSS#M11) U14.M13(VSS#M13) U14.N6(VSS#N6) U14.N8(VSS#N8) U14.N10(VSS#N10) U14.N12(VSS#N12) U14.N14(VSS#N14) U14.P5(VSS#P5) U14.P7(VSS#P7) U14.P9(VSS#P9) U14.P11(VSS#P11) U14.P13(VSS#P13) U14.R4(VSS#R4) U14.R15(VSS#R15) U14.T3(VSS#T3) U14.T16(VSS#T16) U14.U2(VSS#U2) U14.U17(VSS#U17) U14.V1(VSS#V1) U14.V8(VSS#V8) U14.V11(VSS#V11) U14.V18(VSS#V18) U15.A1(VSS#A1) U15.A8(VSS#A8) U15.A11(VSS#A11) U15.A18(VSS#A18) U15.B2(VSS#B2) U15.B17(VSS#B17) U15.C3(VSS#C3) U15.C16(VSS#C16) U15.D4(VSS#D4) U15.D15(VSS#D15) U15.E5(VSS#E5) U15.E6(VSS#E6) U15.E13(VSS#E13) U15.E14(VSS#E14) U15.F5(VSS#F5) U15.F6(VSS#F6) U15.F13(VSS#F13) U15.F14(VSS#F14) U15.G6(VSS#G6) U15.G8(VSS#G8) U15.G10(VSS#G10) U15.G12(VSS#G12) U15.G14(VSS#G14) U15.H1(VSS#H1) U15.H5(VSS#H5) U15.H7(VSS#H7) U15.H9(VSS#H9) U15.H11(VSS#H11) U15.H13(VSS#H13) U15.H18(VSS#H18) U15.J6(VSS#J6) U15.J8(VSS#J8) U15.J10(VSS#J10) U15.J12(VSS#J12) U15.J14(VSS#J14) U15.K5(VSS#K5) U15.K7(VSS#K7) U15.K9(VSS#K9) U15.K11(VSS#K11) U15.K13(VSS#K13) U15.L1(VSS#L1) U15.L6(VSS#L6) U15.L8(VSS#L8) U15.L10(VSS#L10) U15.L12(VSS#L12) U15.L14(VSS#L14) U15.L18(VSS#L18) U15.M5(VSS#M5) U15.M7(VSS#M7) U15.M9(VSS#M9) U15.M11(VSS#M11) U15.M13(VSS#M13) U15.N6(VSS#N6) U15.N8(VSS#N8) U15.N10(VSS#N10) U15.N12(VSS#N12) U15.N14(VSS#N14) U15.P5(VSS#P5) U15.P7(VSS#P7) U15.P9(VSS#P9) U15.P11(VSS#P11) U15.P13(VSS#P13) U15.R4(VSS#R4) U15.R15(VSS#R15) U15.T3(VSS#T3) U15.T16(VSS#T16) U15.U2(VSS#U2) U15.U17(VSS#U17) U15.V1(VSS#V1) U15.V8(VSS#V8) U15.V11(VSS#V11) U15.V18(VSS#V18) U16.A1(VSS#A1) U16.A8(VSS#A8) U16.A11(VSS#A11) U16.A18(VSS#A18) U16.B2(VSS#B2) U16.B17(VSS#B17) U16.C3(VSS#C3) U16.C16(VSS#C16) U16.D4(VSS#D4) U16.D15(VSS#D15) U16.E5(VSS#E5) U16.E6(VSS#E6) U16.E13(VSS#E13) U16.E14(VSS#E14) U16.F5(VSS#F5) U16.F6(VSS#F6) U16.F13(VSS#F13) U16.F14(VSS#F14) U16.G6(VSS#G6) U16.G8(VSS#G8) U16.G10(VSS#G10) U16.G12(VSS#G12) U16.G14(VSS#G14) U16.H1(VSS#H1) U16.H5(VSS#H5) U16.H7(VSS#H7) U16.H9(VSS#H9) U16.H11(VSS#H11) U16.H13(VSS#H13) U16.H18(VSS#H18) U16.J6(VSS#J6) U16.J8(VSS#J8) U16.J10(VSS#J10) U16.J12(VSS#J12) U16.J14(VSS#J14) U16.K5(VSS#K5) U16.K7(VSS#K7) U16.K9(VSS#K9) U16.K11(VSS#K11) U16.K13(VSS#K13) U16.L1(VSS#L1) U16.L6(VSS#L6) U16.L8(VSS#L8) U16.L10(VSS#L10) U16.L12(VSS#L12) U16.L14(VSS#L14) U16.L18(VSS#L18) U16.M5(VSS#M5) U16.M7(VSS#M7) U16.M9(VSS#M9) U16.M11(VSS#M11) U16.M13(VSS#M13) U16.N6(VSS#N6) U16.N8(VSS#N8) U16.N10(VSS#N10) U16.N12(VSS#N12) U16.N14(VSS#N14) U16.P5(VSS#P5) U16.P7(VSS#P7) U16.P9(VSS#P9) U16.P11(VSS#P11) U16.P13(VSS#P13) U16.R4(VSS#R4) U16.R15(VSS#R15) U16.T3(VSS#T3) U16.T16(VSS#T16) U16.U2(VSS#U2) U16.U17(VSS#U17) U16.V1(VSS#V1) U16.V8(VSS#V8) U16.V11(VSS#V11) U16.V18(VSS#V18)
CLK_N0: J16.3 R163.1 U3.J1(WE_CLK_P)
CLK_N1: J16.63(3) R49.1 U1.J1(WE_CLK_P)
CLK_N2: J16.15 R220.1 U4.J1(WE_CLK_P)
CLK_N3: J16.75(15) R106.1 U2.J1(WE_CLK_P)
CLK_N4: J16.123(3) R391.1 U7.J1(WE_CLK_P)
CLK_N5: J16.183(3) R277.1 U5.J1(WE_CLK_P)
CLK_N6: J16.135(15) R448.1 U8.J1(WE_CLK_P)
CLK_N7: J16.195(15) R334.1 U6.J1(WE_CLK_P)
CLK_N8: J16.27 R619.1 U11.J1(WE_CLK_P)
CLK_N9: J16.87(27) R505.1 U9.J1(WE_CLK_P)
CLK_N10: J16.39 R676.1 U12.J1(WE_CLK_P)
CLK_N11: J16.99(39) R562.1 U10.J1(WE_CLK_P)
CLK_N12: J16.147(27) R847.1 U15.J1(WE_CLK_P)
CLK_N13: J16.207(27) R733.1 U13.J1(WE_CLK_P)
CLK_N14: J16.159(39) R904.1 U16.J1(WE_CLK_P)
CLK_N15: J16.219(39) R790.1 U14.J1(WE_CLK_P)
CLK_P0: J16.4 R163.2 U3.K1(WE_CLK_N)
CLK_P1: J16.64(4) R49.2 U1.K1(WE_CLK_N)
CLK_P2: J16.16 R220.2 U4.K1(WE_CLK_N)
CLK_P3: J16.76(16) R106.2 U2.K1(WE_CLK_N)
CLK_P4: J16.124(4) R391.2 U7.K1(WE_CLK_N)
CLK_P5: J16.184(4) R277.2 U5.K1(WE_CLK_N)
CLK_P6: J16.136(16) R448.2 U8.K1(WE_CLK_N)
CLK_P7: J16.196(16) R334.2 U6.K1(WE_CLK_N)
CLK_P8: J16.28 R619.2 U11.K1(WE_CLK_N)
CLK_P9: J16.88(28) R505.2 U9.K1(WE_CLK_N)
CLK_P10: J16.40 R676.2 U12.K1(WE_CLK_N)
CLK_P11: J16.100(40) R562.2 U10.K1(WE_CLK_N)
CLK_P12: J16.148(28) R847.2 U15.K1(WE_CLK_N)
CLK_P13: J16.208(28) R733.2 U13.K1(WE_CLK_N)
CLK_P14: J16.160(40) R904.2 U16.K1(WE_CLK_N)
CLK_P15: J16.220(40) R790.2 U14.K1(WE_CLK_N)
COLID0_SNOW4-1_TILE-1: R107.1 R111.2 U2.E10(COLID0)
COLID0_SNOW4-1_TILE-2: R50.1 R54.2 U1.E10(COLID0)
COLID0_SNOW4-1_TILE-3: R164.1 R168.2 U3.E10(COLID0)
COLID0_SNOW4-1_TILE-4: R221.1 R225.2 U4.E10(COLID0)
COLID0_SNOW4-2_TILE-1: R335.1 R339.2 U6.E10(COLID0)
COLID0_SNOW4-2_TILE-2: R278.1 R282.2 U5.E10(COLID0)
COLID0_SNOW4-2_TILE-3: R392.1 R396.2 U7.E10(COLID0)
COLID0_SNOW4-2_TILE-4: R449.1 R453.2 U8.E10(COLID0)
COLID0_SNOW4-3_TILE-1: R563.1 R567.2 U10.E10(COLID0)
COLID0_SNOW4-3_TILE-2: R506.1 R510.2 U9.E10(COLID0)
COLID0_SNOW4-3_TILE-3: R620.1 R624.2 U11.E10(COLID0)
COLID0_SNOW4-3_TILE-4: R677.1 R681.2 U12.E10(COLID0)
COLID0_SNOW4-4_TILE-1: R791.1 R795.2 U14.E10(COLID0)
COLID0_SNOW4-4_TILE-2: R734.1 R738.2 U13.E10(COLID0)
COLID0_SNOW4-4_TILE-3: R848.1 R852.2 U15.E10(COLID0)
COLID0_SNOW4-4_TILE-4: R905.1 R909.2 U16.E10(COLID0)
COLID1_SNOW4-1_TILE-1: R108.1 R112.2 U2.E11(COLID1)
COLID1_SNOW4-1_TILE-2: R51.1 R55.2 U1.E11(COLID1)
COLID1_SNOW4-1_TILE-3: R165.1 R169.2 U3.E11(COLID1)
COLID1_SNOW4-1_TILE-4: R222.1 R226.2 U4.E11(COLID1)
COLID1_SNOW4-2_TILE-1: R336.1 R340.2 U6.E11(COLID1)
COLID1_SNOW4-2_TILE-2: R279.1 R283.2 U5.E11(COLID1)
COLID1_SNOW4-2_TILE-3: R393.1 R397.2 U7.E11(COLID1)
COLID1_SNOW4-2_TILE-4: R450.1 R454.2 U8.E11(COLID1)
COLID1_SNOW4-3_TILE-1: R564.1 R568.2 U10.E11(COLID1)
COLID1_SNOW4-3_TILE-2: R507.1 R511.2 U9.E11(COLID1)